# KiCad board Kanagawa_rgb_pico.kicad_pcb (continued)
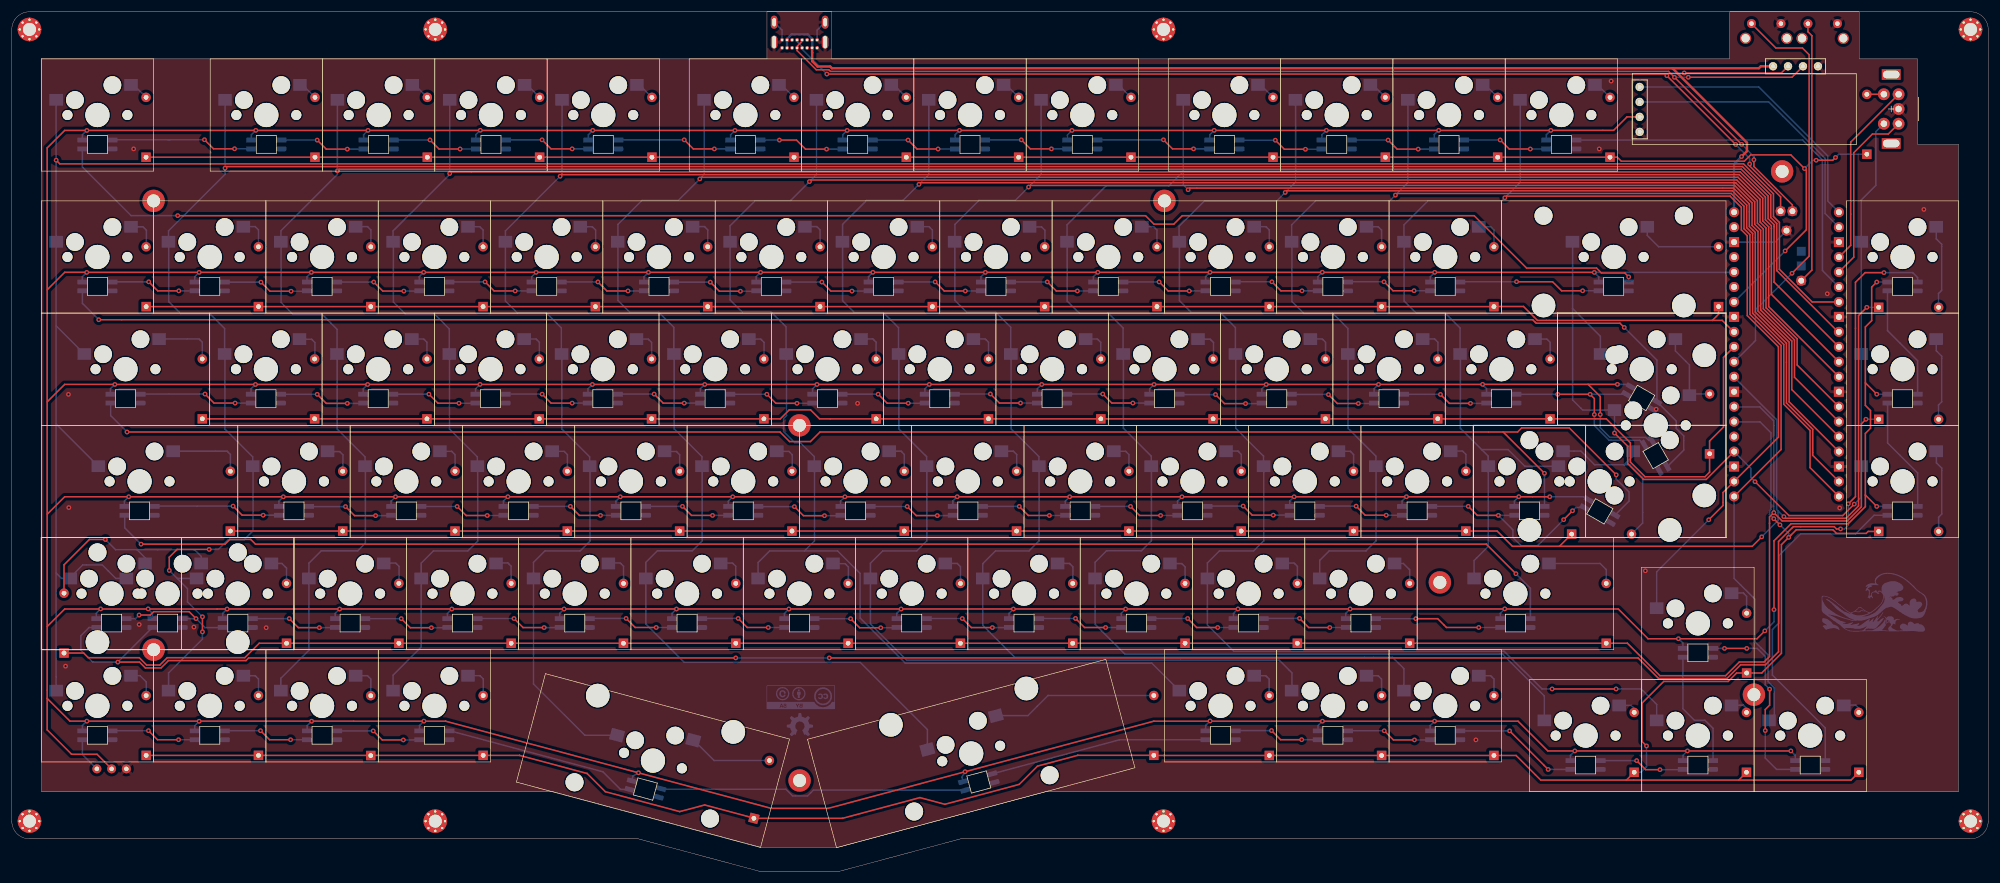
[diagram p0: board, top side]
## Nets
+5V: JUSB2.4 U0.40 USB.A4 USB.A9 USB.B4 USB.B9
GND: DCa13.3 DCb13.3 DDb12.3 DEb0.3 J1.1 J4.3 JUSB2.1 KA0.5 KA1.5 KA2.5 KA3.5 KA4.5 KA5.5 KA6.5 KA7.5 KA8.5 KA9.5 KA10.5 KA11.5 KA12.5 KB0.5 KB1.5 KB2.5 KB3.5 KB4.5 KB5.5 KB6.5 KB7.5 KB8.5 KB9.5 KB10.5 KB11.5 KB12.5 KB13.5 KC0.5 KC1.5 KC2.5 KC3.5 KC4.5 KC5.5 KC6.5 KC7.5 KC8.5 KC9.5 KC10.5 KC11.5 KC12.5 KD0.5 KD1.5 KD2.5 KD3.5 KD4.5 KD5.5 KD6.5 KD7.5 KD8.5 KD9.5 KD10.5 KD11.5 KD12.5 KD13.5 KE0.5 KE1.5 KE2.5 KE3.5 KE4.5 KE5.5 KE6.5 KE7.5 KE8.5 KE9.5 KE10.5 KE11.5 KE12.5 KE13.5 KF0.5 KF1.5 KF2.5 KF3.5 KF4.5 KF5.5 KF6.5 KF7.5 KF8.5 KF9.5 KF10.5 KF11.5 KF12.5 KF13.5 RSW0.2 RSW1.2 SWA13.C U0.3 U0.8 U0.13 U0.18 U0.23 U0.28 U0.33 U0.38 U0.TP1 USB.A1 USB.A12 USB.B1 USB.B12 USB.P1 USB.P2 USB.P3 USB.P4
VCC: DCa13.1 DCb13.1 DDb12.1 DEb0.1 J1.2 J4.2 KA0.3 KA1.3 KA2.3 KA3.3 KA4.3 KA5.3 KA6.3 KA7.3 KA8.3 KA9.3 KA10.3 KA11.3 KA12.3 KB0.3 KB1.3 KB2.3 KB3.3 KB4.3 KB5.3 KB6.3 KB7.3 KB8.3 KB9.3 KB10.3 KB11.3 KB12.3 KB13.3 KC0.3 KC1.3 KC2.3 KC3.3 KC4.3 KC5.3 KC6.3 KC7.3 KC8.3 KC9.3 KC10.3 KC11.3 KC12.3 KD0.3 KD1.3 KD2.3 KD3.3 KD4.3 KD5.3 KD6.3 KD7.3 KD8.3 KD9.3 KD10.3 KD11.3 KD12.3 KD13.3 KE0.3 KE1.3 KE2.3 KE3.3 KE4.3 KE5.3 KE6.3 KE7.3 KE8.3 KE9.3 KE10.3 KE11.3 KE12.3 KE13.3 KF0.3 KF1.3 KF2.3 KF3.3 KF4.3 KF5.3 KF6.3 KF7.3 KF8.3 KF9.3 KF10.3 KF11.3 KF12.3 KF13.3 U0.36
/IN_A0: KA0.6 KA1.4
/IN_A1: KA1.6 KA2.4
/IN_A2: KA2.6 KA3.4
/IN_A3: KA3.6 KA4.4
/IN_A4: KA4.6 KA5.4
/IN_A5: KA5.6 KA6.4
/IN_A6: KA6.6 KA7.4
/IN_A7: KA7.6 KA8.4
/IN_A8: KA8.6 KA9.4
/IN_A9: KA9.6 KA10.4
/IN_A10: KA10.6 KA11.4
/IN_A11: KA11.6 KA12.4
/IN_B0: KB0.6 KB1.4
/IN_B1: KB1.6 KB2.4
/IN_B2: KB2.6 KB3.4
/IN_B3: KB3.6 KB4.4
/IN_B4: KB4.6 KB5.4
/IN_B5: KB5.6 KB6.4
/IN_B6: KB6.6 KB7.4
/IN_B7: KB7.6 KB8.4
/IN_B8: KB8.6 KB9.4
/IN_B9: KB9.6 KB10.4
/IN_B10: KB10.6 KB11.4
/IN_B11: KB11.6 KB12.4
/IN_B12: KB12.6 KB13.4
/IN_B13: KA0.4 KB13.6
/IN_C0: KC0.6 KC1.4
/IN_C1: KC1.6 KC2.4
/IN_C2: KC2.6 KC3.4
/IN_C3: KC3.6 KC4.4
/IN_C4: KC4.6 KC5.4
/IN_C5: KC5.6 KC6.4
/IN_C6: KC6.6 KC7.4
/IN_C7: KC7.6 KC8.4
/IN_C8: KC8.6 KC9.4
/IN_C9: KC9.6 KC10.4
/IN_C10: KC10.6 KC11.4
/IN_C11: KC11.6 KC12.4
/IN_C12: DCa13.2 DCb13.2 KC12.6
/IN_C13: DCa13.4 DCb13.4 KB0.4
/IN_D0: KD0.6 KD1.4
/IN_D1: KD1.6 KD2.4
/IN_D2: KD2.6 KD3.4
/IN_D3: KD3.6 KD4.4
/IN_D4: KD4.6 KD5.4
/IN_D5: KD5.6 KD6.4
/IN_D6: KD6.6 KD7.4
/IN_D7: KD7.6 KD8.4
/IN_D8: KD8.6 KD9.4
/IN_D9: KD9.6 KD10.4
/IN_D10: KD10.6 KD11.4
/IN_D11: DDb12.2 KD11.6 KD12.4
/IN_D12: DDb12.4 KC0.4 KD12.6
/IN_D13: DEb0.2 KD13.6 KE0.4
/IN_E0: DEb0.4 KE0.6 KE1.4
/IN_E1: KE1.6 KE2.4
/IN_E2: KE2.6 KE3.4
/IN_E3: KE3.6 KE4.4
/IN_E4: KE4.6 KE5.4
/IN_E5: KE5.6 KE6.4
/IN_E6: KE6.6 KE7.4
/IN_E7: KE7.6 KE8.4
/IN_E8: KE8.6 KE9.4
/IN_E9: KE9.6 KE10.4
/IN_E10: KE10.6 KE11.4
/IN_E11: KE11.6 KE12.4
/IN_E12: KD0.4 KE12.6
/IN_E13: KD13.4 KE13.6
/IN_F0: KF0.6 KF1.4
/IN_F1: KF1.6 KF2.4
/IN_F2: KF2.6 KF3.4
/IN_F3: KF3.6 KF4.4
/IN_F4: KF4.6 KF5.4
/IN_F5: KF5.6 KF6.4
/IN_F6: KF6.6 KF7.4
/IN_F7: KF7.6 KF8.4
/IN_F8: KF8.6 KF9.4
/IN_F9: KF9.6 KF10.4
/IN_F10: KF10.6 KF12.4
/IN_F11: KF11.6 KF13.4
/IN_F12: KF11.4 KF12.6
/IN_F13: KE13.4 KF13.6
/KC13_out: DC13.2 KC13.2 KCb13.2
/KD12_out: DD12.2 KD12.2 KDb12.2
/KE0_out: DE0.2 KE0.2 KEb0.2
/SW99B: DA13.2 SWA13.S1
BOOTSEL: RSW1.1 U0.TP6
col00: KA0.1 KB0.1 KC0.1 KD0.1 KE0.1 KEb0.1 KF0.1 U0.7
col01: KA1.1 KB1.1 KC1.1 KD1.1 KE1.1 KF1.1 U0.9
col02: KA2.1 KB2.1 KC2.1 KD2.1 KE2.1 KF2.1 U0.10
col03: KA3.1 KB3.1 KC3.1 KD3.1 KE3.1 KF3.1 U0.11
col04: KA4.1 KB4.1 KC4.1 KD4.1 KE4.1 KF4.1 U0.12
col05: KA5.1 KB5.1 KC5.1 KD5.1 KE5.1 KF5.1 U0.14
col06: KA6.1 KB6.1 KC6.1 KD6.1 KE6.1 KF6.1 U0.15
col07: KA7.1 KB7.1 KC7.1 KD7.1 KE7.1 KF7.1 U0.16
col08: KA8.1 KB8.1 KC8.1 KD8.1 KE8.1 KF8.1 U0.17
col09: KA9.1 KB9.1 KC9.1 KD9.1 KE9.1 KF9.1 U0.19
col10: KA10.1 KB10.1 KC10.1 KD10.1 KE10.1 KF10.1 U0.20
col11: KA11.1 KB11.1 KC11.1 KD11.1 KE11.1 KF11.1 U0.21
col12: KA12.1 KB12.1 KC12.1 KD12.1 KDb12.1 KE12.1 KF12.1 U0.22
col13: KB13.1 KC13.1 KCb13.1 KD13.1 KE13.1 KF13.1 SWA13.S2 U0.24
D+: JUSB2.2 U0.TP3 USB.A6 USB.B6
D-: JUSB2.3 U0.TP2 USB.A7 USB.B7
ENCA: SWA13.A U0.5
ENCB: SWA13.B U0.4
RESET: RSW0.1 U0.30
RGB_Matrix: KA12.6 U0.6
RGB_Out: J4.1 KF0.4
row00: DA0.1 DA1.1 DA2.1 DA3.1 DA4.1 DA5.1 DA6.1 DA7.1 DA8.1 DA9.1 DA10.1 DA11.1 DA12.1 DA13.1 U0.34
row01: DB0.1 DB1.1 DB2.1 DB3.1 DB4.1 DB5.1 DB6.1 DB7.1 DB8.1 DB9.1 DB10.1 DB11.1 DB12.1 DB13.1 U0.32
row02: DC0.1 DC1.1 DC2.1 DC3.1 DC4.1 DC5.1 DC6.1 DC7.1 DC8.1 DC9.1 DC10.1 DC11.1 DC12.1 DC13.1 U0.31
row03: DD0.1 DD1.1 DD2.1 DD3.1 DD4.1 DD5.1 DD6.1 DD7.1 DD8.1 DD9.1 DD10.1 DD11.1 DD12.1 DD13.1 U0.29
row04: DE0.1 DE1.1 DE2.1 DE3.1 DE4.1 DE5.1 DE6.1 DE7.1 DE8.1 DE9.1 DE10.1 DE11.1 DE12.1 DE13.1 U0.27
row05: DF0.1 DF1.1 DF2.1 DF3.1 DF4.1 DF5.1 DF6.1 DF7.1 DF8.1 DF9.1 DF10.1 DF11.1 DF12.1 DF13.1 U0.26
SCL: J1.3 U0.2
SDA: J1.4 U0.1
Net-(DA0-A): DA0.2 KA0.2
Net-(DA1-A): DA1.2 KA1.2
Net-(DA2-A): DA2.2 KA2.2
Net-(DA3-A): DA3.2 KA3.2
Net-(DA4-A): DA4.2 KA4.2
Net-(DA5-A): DA5.2 KA5.2
Net-(DA6-A): DA6.2 KA6.2
Net-(DA7-A): DA7.2 KA7.2
Net-(DA8-A): DA8.2 KA8.2
Net-(DA9-A): DA9.2 KA9.2
Net-(DA10-A): DA10.2 KA10.2
Net-(DA11-A): DA11.2 KA11.2
Net-(DA12-A): DA12.2 KA12.2
Net-(DB0-A): DB0.2 KB0.2
Net-(DB1-A): DB1.2 KB1.2
Net-(DB2-A): DB2.2 KB2.2
Net-(DB3-A): DB3.2 KB3.2
Net-(DB4-A): DB4.2 KB4.2
Net-(DB5-A): DB5.2 KB5.2
Net-(DB6-A): DB6.2 KB6.2
Net-(DB7-A): DB7.2 KB7.2
Net-(DB8-A): DB8.2 KB8.2
Net-(DB9-A): DB9.2 KB9.2
Net-(DB10-A): DB10.2 KB10.2
Net-(DB11-A): DB11.2 KB11.2
Net-(DB12-A): DB12.2 KB12.2
Net-(DB13-A): DB13.2 KB13.2
Net-(DC0-A): DC0.2 KC0.2
Net-(DC1-A): DC1.2 KC1.2
Net-(DC2-A): DC2.2 KC2.2
Net-(DC3-A): DC3.2 KC3.2
Net-(DC4-A): DC4.2 KC4.2
Net-(DC5-A): DC5.2 KC5.2
Net-(DC6-A): DC6.2 KC6.2
Net-(DC7-A): DC7.2 KC7.2
Net-(DC8-A): DC8.2 KC8.2
Net-(DC9-A): DC9.2 KC9.2
Net-(DC10-A): DC10.2 KC10.2
Net-(DC11-A): DC11.2 KC11.2
Net-(DC12-A): DC12.2 KC12.2
Net-(DD0-A): DD0.2 KD0.2
Net-(DD1-A): DD1.2 KD1.2
Net-(DD2-A): DD2.2 KD2.2
Net-(DD3-A): DD3.2 KD3.2
Net-(DD4-A): DD4.2 KD4.2
Net-(DD5-A): DD5.2 KD5.2
Net-(DD6-A): DD6.2 KD6.2
Net-(DD7-A): DD7.2 KD7.2
Net-(DD8-A): DD8.2 KD8.2
Net-(DD9-A): DD9.2 KD9.2
Net-(DD10-A): DD10.2 KD10.2
Net-(DD11-A): DD11.2 KD11.2
Net-(DD13-A): DD13.2 KD13.2
Net-(DE1-A): DE1.2 KE1.2
Net-(DE2-A): DE2.2 KE2.2
Net-(DE3-A): DE3.2 KE3.2
Net-(DE4-A): DE4.2 KE4.2
Net-(DE5-A): DE5.2 KE5.2
Net-(DE6-A): DE6.2 KE6.2
Net-(DE7-A): DE7.2 KE7.2
Net-(DE8-A): DE8.2 KE8.2
Net-(DE9-A): DE9.2 KE9.2
Net-(DE10-A): DE10.2 KE10.2
Net-(DE11-A): DE11.2 KE11.2
Net-(DE12-A): DE12.2 KE12.2
Net-(DE13-A): DE13.2 KE13.2
Net-(DF0-A): DF0.2 KF0.2
Net-(DF1-A): DF1.2 KF1.2
Net-(DF2-A): DF2.2 KF2.2
Net-(DF3-A): DF3.2 KF3.2
Net-(DF4-A): DF4.2 KF4.2
Net-(DF5-A): DF5.2 KF5.2
Net-(DF6-A): DF6.2 KF6.2
Net-(DF7-A): DF7.2 KF7.2
Net-(DF8-A): DF8.2 KF8.2
Net-(DF9-A): DF9.2 KF9.2
Net-(DF10-A): DF10.2 KF10.2
Net-(DF11-A): DF11.2 KF11.2
Net-(DF12-A): DF12.2 KF12.2
Net-(DF13-A): DF13.2 KF13.2

Pads without a net: MountBaseTop1 1; MountBaseTop2 1; MountBaseTop3 1; MountBaseTop4 1; MountBaseTop5 1; MountBaseTop6 1; MountBaseTop7 1; MountBaseTop8 1; MountTopMiddle1 1; MountTopMiddle2 1; MountTopMiddle3 1; MountTopMiddle4 1; MountTopMiddle5 1; MountTopMiddle6 1; MountTopMiddle7 1; MountTopMiddle8 1; RSW0 3; RSW1 3; SWA13 MP; U0 25 35 37 39 TP4 TP5; USB A5 A8 B5 B8

## Via types
v1: diameter 0.8, hole 0.4, Top to Bottom, 312 vias

## Routing (per net, layer and track width the routed paths; a pad name or vN(x,y) marks a point on that pad's centre or on a via; arc(x,y) is an arc through that point)
+5V: length 204.4
  Top w0.4: JUSB2.4 296.66,136.65 296.33,136.32 281.66,136.32 ; USB.A9 135.75,138.95 135.75,138.95 135.75,137.52 136.66,136.61 138.81,136.61 139.1,136.32 281.66,136.32 ; 281.66,136.32 294.31,123.68 294.31,122.24 v1(293.39,121.32)
  Bottom w0.4: 135.75,139.77 135.75,141.29 ; v1(293.39,121.32) 292.12,120.05 U0.40 ; USB.A4 131.5,141.29 132.27,142.07 134.99,142.07 135.75,141.31
GND: length 16.8
  Bottom w0.254: USB.B1 136.59,142.79 137.94,144.13 ; 129.3,144.13 130.65,142.79 USB.B12 ; U0.38 299.06,106.8 U0.TP1
  vias: v1(9.12,34.81) v1(9.61,80.95) v1(9.67,61.73) v1(20.67,122.62) v1(21.61,41.87) v1(30.89,41.45) v1(43.15,41.34) v1(143.45,79.43) v1(248.33,22.3) v1(269.25,122.62) v1(271.27,134.14) v1(277.07,51) v1(278.91,78.43) v1(307.93,98.03) v1(310.03,61.67) v1(324.31,112.35)
VCC: length 2061.8
  Top w0.254: 5.99,79.67 8.96,82.64 17.48,82.64 v1(17.48,82.64) 249.46,82.64 ; v1(269.42,77.53) 269.42,80.59 267.36,82.65 ; v1(268.42,101.65) 268.41,101.66 v1(12.71,101.66) ; v1(316.32,80.98) 314.39,82.91 ; 314.39,82.91 314.39,79.08 315.26,78.21 315.26,75.2 314.39,74.33 314.39,63.85 ; 314.39,82.91 314.39,92.4 315.46,93.47 315.46,99.16 v1(316.32,100.02) ; 12.73,101.67 8.98,101.67 6.01,98.7 ; v1(298.89,44.4) 298.89,56.09 301.79,58.99 311.48,58.99 311.48,58.99 314.39,61.9 314.39,63.85 ; 267.36,82.65 v1(272.33,82.65) ; 267.36,82.65 v1(249.47,82.65) ; 57.99,25.47 73.57,25.47 73.57,25.47 128.8,10.67 138.46,10.67 193.69,25.47 ; 6.01,60.6 8.98,63.57 19.84,63.57 v1(19.84,63.57) v1(260.85,63.57) ; 6.01,41.54 8.98,44.51 34.83,44.51 34.83,44.52 272.48,44.52 277.53,39.47 v1(282.68,39.47) 296.01,39.47 v1(297.34,40.8) ; J4.2 14.46,19.85 10.15,19.85 6,24 6,29.34 ; 314.39,63.85 314.4,63.85 v1(316.32,61.93) ; 6,29.34 6,122.79 8.97,125.76 v1(12.73,125.76) 261.03,125.76 v1(261.04,125.77) 271.68,125.77 273.97,128.06 276.1,128.06 ; 6,29.34 9.86,25.48 58,25.48 ; 301.74,20.42 v1(265.11,20.42) 260.53,20.42 255.48,25.47 193.72,25.47 193.72,25.47
  Bottom w0.254: v1(65.09,63.56) 64.34,62.82 64.34,61.92 ; 78.72,124.14 78.72,125.04 v1(79.47,125.78) ; v1(19.84,63.57) 19.09,62.82 19.09,61.92 ; v1(203.24,25.5) 202.5,24.76 202.5,23.86 ; 250.14,80.99 250.14,81.89 249.39,82.63 ; 260.29,124.12 260.29,125.02 v1(261.04,125.77) ; v1(169.89,44.51) 169.14,43.76 169.14,42.86 ; 107.23,100.02 107.23,100.92 v1(107.98,101.66) ; v1(88.93,101.66) 88.18,100.92 88.18,100.02 ; v1(55.6,44.51) 54.85,43.76 54.85,42.86 ; v1(222.97,125.77) 222.22,125.03 222.22,124.13 ; 240.58,23.83 240.58,24.73 v1(241.32,25.47) ; 264.36,18.77 264.36,19.67 v1(265.11,20.42) ; 50.1,23.82 50.1,24.72 v1(50.85,25.47) ; 23.12,44.52 23.87,43.77 23.87,42.87 ; 131.05,42.87 131.05,43.76 v1(131.8,44.51) ; v1(79.41,82.64) 78.66,81.9 78.66,81 ; 11.98,23.83 11.98,24.73 v1(12.73,25.48) ; v1(282.68,39.47) 283.43,38.72 283.43,37.82 ; 40.64,124.13 40.64,125.03 v1(41.39,125.77) ; 161.39,15.12 161.16,15.98 v1(161.69,16.9) ; v1(255.61,63.58) 254.86,62.83 254.86,61.93 ; KF13.3 316.32,61.92 v1(316.32,61.93) ; 135.82,80.99 135.82,81.89 v1(136.57,82.63) ; v1(122.66,125.76) 121.91,125.02 121.91,124.12 ; 83.39,61.93 83.39,62.83 v1(84.14,63.57) ; v1(160.74,125.77) 159.99,125.03 159.99,124.13 ; v1(106.29,16.71) 105.37,16.18 105.14,15.31 ; 202.48,100.03 202.48,100.93 v1(203.23,101.67) ; 183.45,100.03 183.45,100.93 v1(184.2,101.67) ; v1(74.63,44.51) 73.88,43.76 73.88,42.86 ; 140.56,61.92 140.56,62.82 v1(141.31,63.56) ; 302.5,18.77 302.5,19.67 v1(301.75,20.42) ; v1(122.28,63.56) 121.53,62.82 121.53,61.92 ; 188.17,42.86 188.17,43.76 v1(188.92,44.51) ; 145.31,100.03 145.31,100.93 v1(146.06,101.67) ; v1(193.74,82.63) 192.99,81.89 192.99,80.99 ; v1(93.68,44.51) 92.93,43.76 92.93,42.87 ; 45.31,61.92 45.31,62.82 v1(46.06,63.56) ; 226.25,42.87 226.25,43.77 v1(227,44.52) ; v1(41.33,82.63) 40.58,81.89 40.58,80.99 ; v1(253.22,44.53) 252.48,43.79 252.48,42.89 ; v1(36.52,44.51) 35.77,43.76 35.77,42.86 ; v1(117.54,82.63) 116.79,81.89 116.79,80.99 ; 111.99,42.87 111.99,43.76 v1(112.74,44.51) ; 292.12,101.65 v1(268.42,101.65) 269.16,100.91 269.16,100.01 ; v1(103.21,63.56) 102.46,62.82 102.46,61.92 ; 59.67,124.13 59.67,125.03 v1(60.42,125.77) ; 97.79,124.13 97.79,125.03 v1(98.54,125.77) ; v1(141.69,125.76) 140.94,125.02 140.94,124.12 ; 216.75,61.92 216.75,62.82 v1(217.5,63.56) ; v1(298.89,44.4) 298.89,42.35 v1(297.34,40.8) ; v1(272.33,82.65) 274.06,82.65 274.51,82.2 ; v1(231.82,82.64) 231.07,81.9 231.07,81 ; 69.11,100.03 69.11,100.93 v1(69.86,101.67) ; KE13.3 316.27,80.97 ; 212.02,80.99 212.02,81.89 v1(212.77,82.63) ; v1(12.73,125.76) 11.98,125.01 11.98,124.11 ; v1(179.43,63.56) 178.68,62.82 178.68,61.92 ; 159.61,61.93 159.61,62.83 v1(160.36,63.57) ; 240.6,100.03 240.6,100.93 v1(241.35,101.67) ; v1(222.3,25.47) 221.55,24.72 221.55,23.82 ; v1(222.28,101.68) 221.53,100.94 221.53,100.04 ; 154.87,81 154.87,81.9 v1(155.62,82.64) ; 283.46,18.77 283.46,19.67 v1(284.21,20.42) ; 203.19,124.13 203.19,125.03 v1(203.94,125.77) ; 14.32,42.88 14.32,43.78 v1(15.07,44.53) ; 179.06,124.12 179.06,125.02 v1(179.81,125.76) ; v1(60.36,82.63) 59.61,81.89 59.61,80.99 ; 126.26,100.02 126.26,100.92 v1(127.01,101.66) ; 31.03,100.02 31.03,100.92 v1(31.78,101.66) ; 318.15,100.02 316.19,100.02 ; v1(242.02,125.78) 241.27,125.04 241.27,124.14 ; 207.22,42.87 207.22,43.77 v1(207.97,44.52) ; v1(236.55,63.57) 235.8,62.83 235.8,61.93 ; 11.96,100.01 11.96,100.91 v1(12.71,101.66) ; 97.73,80.99 97.73,81.89 v1(98.48,82.63) ; v1(269.42,77.53) 269.42,75.3 271.07,73.65 272.3,73.65 272.3,73.65 277.14,73.65 277.66,73.13 DCa13.1 ; v1(50.81,101.66) 50.06,100.92 50.06,100.02 ; v1(198.47,63.56) 197.72,62.82 197.72,61.92 ; v1(69.9,25.48) 69.15,24.73 69.15,23.83 ; v1(150.84,44.51) 150.09,43.76 150.09,42.87 ; v1(260.85,63.57) 266.62,63.57 266.97,63.22 ; 173.94,80.99 173.94,81.89 v1(174.69,82.63) ; 164.38,100.02 164.38,100.92 v1(165.13,101.66) ; v1(17.48,82.64) 16.73,81.89 16.73,80.99 ; 31.03,23.81 31.03,24.71 v1(31.78,25.46)
  vias: v1(23.13,44.53)
/IN_A0: length 24.3
  Top w0.254: v1(32.68,124.17) 34.22,122.64 v1(37.78,122.64)
  Bottom w0.254: v1(37.78,122.64) 40.5,122.64 ; 26.57,124.17 v1(32.68,124.17) ; 26.75,124.17 17,124.17
/IN_A1: length 14.6
  Top w0.254: v1(51.8,124.12) 53.33,122.58 v1(56.91,122.58)
  Bottom w0.254: 45.69,124.12 v1(51.8,124.12) ; v1(56.91,122.58) 59.62,122.58
/IN_A2: length 14.6
  Top w0.254: v1(70.93,124.14) 72.47,122.6 v1(76.03,122.6)
  Bottom w0.254: 64.82,124.14 v1(70.93,124.14) ; v1(76.03,122.6) 78.75,122.6
/IN_A3: length 14.6
  Top w0.254: v1(89.94,124.16) 91.47,122.62 v1(95.04,122.62)
  Bottom w0.254: v1(95.04,122.62) 97.76,122.62 ; 83.83,124.16 v1(89.94,124.16)
/IN_A4: length 19.6
  Top w0.254: v1(114.06,124.15) 115.59,122.62 v1(119.16,122.62)
  Bottom w0.254: v1(114.06,124.15) 102.88,124.15 ; v1(119.16,122.62) 121.88,122.62
/IN_A5: length 14.6
  Top w0.254: v1(130.2,124.12) 133.09,124.12 134.62,122.58 v1(138.19,122.58)
  Bottom w0.254: 126.98,124.12 v1(130.2,124.12) ; v1(138.19,122.58) 140.91,122.58
/IN_A6: length 14.6
  Top w0.254: v1(152.02,124.12) 153.54,122.6 v1(157.11,122.6)
  Bottom w0.254: v1(152.02,124.12) 152,124.14 145.9,124.14 ; v1(157.11,122.6) 159.83,122.6
/IN_A7: length 14.6
  Top w0.254: v1(176.34,122.62) 172.76,122.62 v1(171.23,124.16)
  Bottom w0.254: 165.12,124.16 v1(171.23,124.16) ; v1(176.34,122.62) 179.06,122.62
/IN_A8: length 19.6
  Top w0.254: v1(195.34,124.16) 196.87,122.62 v1(200.44,122.62)
  Bottom w0.254: v1(195.34,124.16) 184.15,124.16 ; v1(200.44,122.62) 203.16,122.62
/IN_A9: length 14.6
  Top w0.254: v1(214.31,124.1) 215.85,122.56 v1(219.42,122.56)
  Bottom w0.254: v1(219.42,122.56) 222.13,122.56 ; 208.2,124.1 v1(214.31,124.1)
/IN_A10: length 14.6
  Top w0.254: v1(233.44,124.12) 234.98,122.58 v1(238.55,122.58)
  Bottom w0.254: v1(238.55,122.58) 241.26,122.58 ; 227.33,124.12 v1(233.44,124.12)
/IN_A11: length 14.6
  Top w0.254: v1(257.56,122.6) 253.99,122.6 v1(252.45,124.14)
  Bottom w0.254: 246.34,124.14 v1(252.45,124.14) ; v1(257.56,122.6) 260.27,122.6
/IN_B0: length 14.6
  Top w0.254: v1(28.33,98.52) 24.76,98.52 v1(23.22,100.06)
  Bottom w0.254: 17.12,100.06 v1(23.22,100.06) ; v1(28.33,98.52) 31.05,98.52
/IN_B1: length 14.6
  Top w0.254: v1(47.36,98.46) 43.8,98.46 v1(42.26,100)
  Bottom w0.254: v1(47.36,98.46) 50.08,98.46 ; 36.15,100 v1(42.26,100)
/IN_B2: length 14.6
  Top w0.254: v1(61.39,100.02) 62.92,98.48 v1(66.5,98.48)
  Bottom w0.254: v1(66.5,98.48) 69.22,98.48 ; 55.28,100.02 v1(61.39,100.02)
/IN_B3: length 14.6
  Top w0.254: v1(80.28,100.04) 81.81,98.51 v1(85.38,98.51)
  Bottom w0.254: v1(85.38,98.51) 88.1,98.51 ; 74.17,100.04 v1(80.28,100.04)
/IN_B4: length 14.6
  Top w0.254: v1(99.41,100.04) 100.94,98.5 v1(104.51,98.5)
  Bottom w0.254: v1(104.51,98.5) 107.24,98.5 ; 93.3,100.04 v1(99.41,100.04)
/IN_B5: length 14.6
  Top w0.254: v1(123.59,98.46) 120.01,98.46 v1(118.48,100)
  Bottom w0.254: v1(123.59,98.46) 126.31,98.46 ; 112.37,100 v1(118.48,100)
/IN_B6: length 14.6
  Top w0.254: v1(142.5,98.48) 138.93,98.48 v1(137.4,100.02)
  Bottom w0.254: v1(142.5,98.48) 145.22,98.48 ; 131.29,100.02 v1(137.4,100.02)
/IN_B7: length 14.6
  Top w0.254: v1(156.62,100.04) 158.16,98.5 v1(161.72,98.5)
  Bottom w0.254: v1(161.72,98.5) 164.44,98.5 ; 150.51,100.04 v1(156.62,100.04)
/IN_B8: length 14.6
  Top w0.254: v1(180.74,98.5) 177.16,98.5 v1(175.63,100.04)
  Bottom w0.254: 169.52,100.04 v1(175.63,100.04) ; v1(180.74,98.5) 183.46,98.5
/IN_B9: length 14.6
  Top w0.254: v1(194.6,100.04) 196.13,98.5 v1(199.71,98.5)
  Bottom w0.254: v1(199.71,98.5) 202.43,98.5 ; 188.49,100.04 v1(194.6,100.04)
/IN_B10: length 14.6
  Top w0.254: v1(218.83,98.52) 215.26,98.52 v1(213.73,100.06)
  Bottom w0.254: v1(218.83,98.52) 221.56,98.52 ; 207.62,100.06 v1(213.73,100.06)
/IN_B11: length 14.6
  Top w0.254: 232.74,100.08 234.27,98.54 v1(237.85,98.54)
  Bottom w0.254: v1(237.85,98.54) 240.56,98.54 ; 226.63,100.08 232.74,100.08
  vias: v1(232.75,100.06)
/IN_B12: length 24.1
  Top w0.254: v1(266.44,98.53) 262.87,98.53 261.33,100.07 255.23,100.07
  Bottom w0.254: 255.23,100.07 245.71,100.07 ; v1(266.44,98.53) 269.16,98.53
  vias: v1(255.23,100.08)
/IN_B13: length 275.1
  Top w0.254: 28.15,111.28 192.3,111.28 193.73,109.85 197.09,109.85 198.52,111.28 248.04,111.28 256.93,102.39 268.79,102.39 269.62,101.56 273.58,101.56 v1(274.25,100.89)
  Bottom w0.254: v1(28.14,111.29) 20.24,111.29 11.98,119.55 KA0.4 ; 274.25,100.02 v1(274.25,100.89)
/IN_C0: length 19.4
  Top w0.254: v1(32.77,81.01) 34.31,79.47 v1(37.88,79.47)
  Bottom w0.254: 21.84,81.01 v1(32.77,81.01) ; v1(37.88,79.47) 40.6,79.47
/IN_C1: length 14.6
  Top w0.254: v1(56.91,79.42) 53.33,79.42 v1(51.8,80.96)
  Bottom w0.254: v1(56.91,79.42) 59.62,79.42 ; 45.69,80.96 v1(51.8,80.96)
/IN_C2: length 14.6
  Top w0.254: v1(75.85,79.45) 72.28,79.45 v1(70.75,80.98)
  Bottom w0.254: v1(75.85,79.45) 78.57,79.45 ; 64.64,80.98 v1(70.75,80.98)
/IN_C3: length 14.6
  Top w0.254: v1(89.96,80.98) 91.47,79.46 v1(95.04,79.46)
  Bottom w0.254: v1(89.96,80.98) 89.94,81 83.83,81 ; v1(95.04,79.46) 97.76,79.46
/IN_C4: length 14.6
  Top w0.254: v1(108.95,81) 110.49,79.46 v1(114.06,79.46)
  Bottom w0.254: 102.84,81 v1(108.95,81) ; v1(114.06,79.46) 116.78,79.46
/IN_C5: length 14.6
  Top w0.254: v1(128.07,80.97) 129.6,79.43 v1(133.18,79.43)
  Bottom w0.254: v1(133.18,79.43) 135.9,79.43 ; 121.96,80.97 v1(128.07,80.97)
/IN_C6: length 14.6
  Top w0.254: v1(152.05,79.45) 148.48,79.45 v1(146.94,80.98)
  Bottom w0.254: v1(152.05,79.45) 154.77,79.45 ; 140.84,80.98 v1(146.94,80.98)
/IN_C7: length 14.6
  Top w0.254: v1(171.09,79.48) 167.52,79.48 v1(165.99,81.01)
  Bottom w0.254: v1(171.09,79.48) 173.81,79.48 ; 159.88,81.01 v1(165.99,81.01)
/IN_C8: length 14.6
  Top w0.254: v1(190.15,79.48) 186.58,79.48 v1(185.04,81.01)
  Bottom w0.254: 178.94,81.01 v1(185.04,81.01) ; v1(190.15,79.48) 192.87,79.48
/IN_C9: length 14.6
  Top w0.254: v1(204.16,80.92) 205.69,79.38 v1(209.26,79.38)
  Bottom w0.254: 198.05,80.92 v1(204.16,80.92) ; v1(209.26,79.38) 211.99,79.38
/IN_C10: length 14.6
  Top w0.254: v1(228.39,79.4) 224.82,79.4 v1(223.32,80.91)
  Bottom w0.254: v1(223.32,80.91) 223.29,80.94 217.18,80.94 ; v1(228.39,79.4) 231.12,79.4
/IN_C11: length 14.6
  Top w0.254: v1(247.4,79.42) 243.83,79.42 242.3,80.96
  Bottom w0.254: v1(247.4,79.42) 250.12,79.42 ; 236.19,80.96 242.3,80.96
  vias: v1(242.32,80.94)
/IN_C12: length 34.1
  Top w0.254: v1(268.42,77.53) 268.42,80.24 v1(267.7,80.96) v1(262.21,80.96)
  Bottom w0.254: 255.2,80.96 v1(262.21,80.96) ; v1(267.7,80.96) 273.89,80.96 ; v1(268.42,77.53) 268.42,75.66 270.91,73.17 276.11,73.17 DCa13.2
/IN_C13: length 294.3
  Top w0.254: v1(273.49,92.31) 272.77,93.03 258.56,93.03 257.97,93.62 v1(14.75,93.62)
  Bottom w0.254: v1(14.75,93.62) 11.98,96.39 11.98,98.52 ; 280.75,68.65 283.58,71.48 283.58,73.9 282.32,75.16 282.32,76.42 DCb13.4 279.03,86.77 v1(273.49,92.31)
/IN_D0: length 21.7
  Top w0.254: v1(42.64,60.44) 39.07,60.44 v1(37.53,61.98)
  Bottom w0.254: v1(42.64,60.44) 45.36,60.44 ; v1(37.53,61.98) 24.26,61.98
/IN_D1: length 14.6
  Top w0.254: v1(56.6,61.9) 58.14,60.36 v1(61.7,60.36)
  Bottom w0.254: v1(61.7,60.36) 64.42,60.36 ; 50.49,61.9 v1(56.6,61.9)
/IN_D2: length 14.6
  Top w0.254: v1(80.64,60.38) 77.07,60.38 v1(75.53,61.92)
  Bottom w0.254: v1(80.64,60.38) 83.36,60.38 ; 69.43,61.92 v1(75.53,61.92)
/IN_D3: length 14.6
  Top w0.254: v1(99.84,60.4) 96.28,60.4 v1(94.74,61.94)
  Bottom w0.254: 88.63,61.94 v1(94.74,61.94) ; v1(99.84,60.4) 102.56,60.4
/IN_D4: length 14.6
  Top w0.254: v1(118.85,60.4) 115.28,60.4 v1(113.75,61.94)
  Bottom w0.254: 107.64,61.94 v1(113.75,61.94) ; v1(118.85,60.4) 121.57,60.4
/IN_D5: length 14.6
  Top w0.254: v1(132.74,61.89) 134.28,60.35 v1(137.84,60.35)
  Bottom w0.254: v1(137.84,60.35) 140.56,60.35 ; 126.63,61.89 v1(132.74,61.89)
/IN_D6: length 14.6
  Top w0.254: v1(151.87,61.91) 153.41,60.37 v1(156.97,60.37)
  Bottom w0.254: v1(156.97,60.37) 159.69,60.37 ; 145.76,61.91 v1(151.87,61.91)
/IN_D7: length 14.6
  Top w0.254: v1(175.99,60.39) 172.41,60.39 v1(170.88,61.93)
  Bottom w0.254: v1(175.99,60.39) 178.71,60.39 ; 164.77,61.93 v1(170.88,61.93)
/IN_D8: length 14.6
  Top w0.254: v1(189.75,61.93) 191.28,60.39 v1(194.85,60.39)
  Bottom w0.254: v1(194.85,60.39) 197.57,60.39 ; 183.64,61.93 v1(189.75,61.93)
/IN_D9: length 14.6
  Top w0.254: v1(213.96,60.45) 210.39,60.45 v1(208.85,61.98)
  Bottom w0.254: 202.75,61.98 v1(208.85,61.98) ; v1(213.96,60.45) 216.68,60.45
/IN_D10: length 14.6
  Top w0.254: v1(228.01,61.97) 229.55,60.44 v1(233.12,60.44)
  Bottom w0.254: v1(233.12,60.44) 235.84,60.44 ; 221.91,61.97 v1(228.01,61.97)
/IN_D11: length 34.8
  Top w0.254: v1(252.14,60.41) 248.57,60.41 v1(247.04,61.94) ; v1(263.22,59.68) 263.22,59.69 v1(264.72,61.19)
  Bottom w0.254: 240.93,61.94 v1(247.04,61.94) ; 254.86,60.41 v1(252.14,60.41) 254.6,57.95 254.6,56.66 256.05,55.21 258.74,55.21 263.21,59.68 v1(263.22,59.68) ; v1(264.72,61.19) 265.27,61.74 266.75,61.74
/IN_D12: length 287.8
  Top w0.254: 252.96,74.56 137.08,74.56 135.46,72.94 131.92,72.94 130.3,74.56 v1(19.55,74.56) ; 252.96,74.56 255.4,74.56 256.1,75.26 264.16,75.26 v1(272.13,67.29) ; 252.96,74.56 v1(259.96,67.56)
  Bottom w0.254: v1(19.55,74.56) 16.77,77.33 16.77,79.46 ; KD12.6 259.96,67.08 259.96,67.08 v1(259.96,67.56) ; v1(272.13,67.29) 272.13,66.55 274.31,64.37 274.31,62.84 DDb12.4
/IN_D13: length 393.3
  Top w0.254: v1(17.98,35.5) 21.66,35.5 22.65,34.51 25.32,34.51 26.57,35.76 39.72,35.76 40.17,36.21 v1(122.79,36.21) ; v1(310.18,58.11) 309.49,58.11 309.11,58.49 302.17,58.49 299.66,55.98 299.66,37.26 297.43,35.03 293.22,35.03 290.91,32.72 279.32,32.72 275.83,36.21 v1(138.66,36.21) ; v1(317.54,101.62) 314.35,101.62 312.71,99.98 312.71,63.59 v1(311.49,62.37)
  Bottom w0.254: v1(317.54,101.62) 322.41,101.62 323.25,100.78 323.25,100.02 ; v1(310.18,58.11) 310.86,58.11 311.49,58.74 v1(311.49,62.37) ; v1(122.79,36.21) v1(138.66,36.21) ; KE0.4 13.1,41.37 11.71,39.98 11.71,37.52 13.73,35.5 v1(17.98,35.5) 23.88,41.4
/IN_E0: length 20.1
  Top w0.254: v1(31.25,42.88) 30.07,44.06 24.06,44.06 23.49,43.49 v1(21.59,43.49)
  Bottom w0.254: 35.72,41.35 32.78,41.35 v1(31.25,42.88) DEb0.4 ; v1(21.59,43.49) 20.97,42.87 KE0.6
/IN_E1: length 14.6
  Top w0.254: v1(52.17,41.35) 48.6,41.35 v1(47.06,42.89)
  Bottom w0.254: v1(52.17,41.35) 54.89,41.35 ; 40.95,42.89 v1(47.06,42.89)
/IN_E2: length 14.6
  Top w0.254: v1(66.06,42.87) 67.59,41.34 v1(71.16,41.34)
  Bottom w0.254: 59.95,42.87 v1(66.06,42.87) ; v1(71.16,41.34) 73.88,41.34
/IN_E3: length 14.6
  Top w0.254: v1(90.29,41.36) 86.72,41.36 v1(85.19,42.89)
  Bottom w0.254: v1(90.29,41.36) 93.01,41.36 ; 79.08,42.89 v1(85.19,42.89)
/IN_E4: length 14.6
  Top w0.254: v1(109.3,41.38) 105.73,41.38 v1(104.19,42.91)
  Bottom w0.254: 98.09,42.91 v1(104.19,42.91) ; v1(109.3,41.38) 112.02,41.38
/IN_E5: length 14.6
  Top w0.254: v1(128.31,41.38) 124.74,41.38 v1(123.21,42.91)
  Bottom w0.254: 117.1,42.91 v1(123.21,42.91) ; v1(128.31,41.38) 131.03,41.38
/IN_E6: length 14.6
  Top w0.254: v1(147.38,41.33) 143.81,41.33 v1(142.28,42.87)
  Bottom w0.254: 136.17,42.87 v1(142.28,42.87) ; v1(147.38,41.33) 150.1,41.33
/IN_E7: length 14.6
  Top w0.254: v1(166.32,41.36) 162.75,41.36 v1(161.22,42.89)
  Bottom w0.254: v1(166.32,41.36) 169.04,41.36 ; 155.11,42.89 v1(161.22,42.89)
/IN_E8: length 14.6
  Top w0.254: v1(180.42,42.91) 181.96,41.37 v1(185.53,41.37)
  Bottom w0.254: 174.31,42.91 v1(180.42,42.91) ; v1(185.53,41.37) 188.25,41.37
/IN_E9: length 14.6
  Top w0.254: v1(199.44,42.9) 200.97,41.37 v1(204.53,41.37)
  Bottom w0.254: v1(199.44,42.9) 199.43,42.91 193.32,42.91 ; v1(204.53,41.37) 207.25,41.37
/IN_E10: length 14.6
  Top w0.254: 218.45,42.89 219.98,41.37 v1(223.55,41.37)
  Bottom w0.254: v1(223.55,41.37) 226.26,41.37 ; 212.31,42.92 v1(218.42,42.92)
/IN_E11: length 21.7
  Top w0.254: v1(248.82,41.38) 243.34,41.38 241.85,42.87 v1(238.15,42.87)
  Bottom w0.254: v1(238.15,42.87) 238.14,42.87 KE11.6 ; v1(248.82,41.38) 252.49,41.38
/IN_E12: length 250.7
  Top w0.254: v1(21.92,55.52) 36.17,55.52 36.98,56.33 40.52,56.33 41.33,55.52 250.11,55.52 250.11,55.51 v1(255.12,50.5)
  Bottom w0.254: 19.15,60.42 19.15,58.29 v1(21.92,55.52) ; v1(255.12,50.5) 257.58,48.04 KE12.6
/IN_E13: length 19.7
  Bottom w0.254: KE13.6 323.25,86.67 318.15,91.77 318.15,98.53
/IN_F0: length 14.7
  Top w0.254: v1(23.18,23.85) 24.72,22.32 v1(28.28,22.32)
  Bottom w0.254: 17.07,23.85 v1(23.18,23.85) ; v1(28.28,22.32) 31.09,22.32
/IN_F1: length 14.6
  Top w0.254: v1(47.29,22.32) 43.72,22.32 v1(42.19,23.85)
  Bottom w0.254: v1(47.29,22.32) 50.09,22.32 ; 36.08,23.85 v1(42.19,23.85)
/IN_F2: length 14.6
  Top w0.254: v1(66.41,22.28) 62.84,22.28 v1(61.3,23.82)
  Bottom w0.254: v1(66.41,22.28) 69.21,22.28 ; 55.2,23.82 v1(61.3,23.82)
/IN_F3: length 32.7
  Bottom w0.254: KF4.4 103.24,13.89 100.25,16.88 74.28,23.84
/IN_F4: length 52.5
  Bottom w0.254: KF5.4 135.96,13.77 134.97,12.78 132.43,12.78 131.3,13.91 110.16,13.91
/IN_F5: length 36.9
  Bottom w0.254: 202.52,22.31 187.87,22.31 ; 187.86,22.31 166.33,16.54
/IN_F6: length 14.6
  Top w0.254: 213.69,23.85 215.21,22.33 v1(218.78,22.33)
  Bottom w0.254: v1(218.78,22.33) 221.5,22.33 ; 207.55,23.88 v1(213.66,23.88)
/IN_F7: length 14.6
  Top w0.254: v1(237.91,22.29) 234.34,22.29 232.81,23.81
  Bottom w0.254: v1(237.91,22.29) 240.63,22.29 ; 226.68,23.84 v1(232.79,23.84)
/IN_F8: length 21.1
  Top w0.254: v1(260.59,17.28) v1(254.05,23.82)
  Bottom w0.254: 246,23.82 v1(254.05,23.82) ; v1(260.59,17.28) 264.4,17.28
/IN_F9: length 14.6
  Top w0.254: v1(275.6,18.77) 277.13,17.24 v1(279.55,17.24)
  Bottom w0.254: v1(279.55,17.24) 283.42,17.24 ; KF9.6 v1(275.6,18.77)
/IN_F10: length 20.7
  Bottom w0.254: KF12.4 283.44,27.59 285.4,25.63 287.18,25.63 288.55,24.26 288.55,18.79
/IN_F11: length 60.2
  Bottom w0.254: KF13.4 315.88,60.42 312.71,57.26 303.4,57.26 299.71,53.57 299.71,42.11 298.62,41.02 298.62,33.3 307.59,24.33 KF11.6
/IN_F12: length 33.2
  Top w0.254: v1(290.5,37.82) v1(294.27,37.82) ; v1(297.41,23.88) 297.41,27.45 298.15,28.19 v1(298.15,30.91)
  Bottom w0.254: 302.5,17.29 299.33,17.29 297.41,19.21 v1(297.41,23.88) ; v1(294.27,37.82) 296.06,37.82 297.41,36.47 297.41,31.65 v1(298.15,30.91) ; KF12.6 v1(290.5,37.82)
/IN_F13: length 19.7
  Bottom w0.254: 323.26,61.91 323.26,67.6 318.16,72.7 318.16,79.46
/KC13_out: length 14.1
  Bottom w0.254: DC13.2 284.74,81.02 284.54,80.82 ; KCb13.2 282.16,88.34 284.55,85.95 284.55,80.77
/KD12_out: length 28.7
  Bottom w0.254: 273.48,69 274.42,69 276.61,66.81 276.61,59.11 274.75,57.25 ; 273.48,69 275.02,70.54 275.02,71.29 ; 273.48,69 268.46,69 266.14,71.32 263.07,71.32
/KE0_out: length 35.2
  Top w0.254: DE0.2 8.86,52.02 13.16,56.32 v1(15.87,56.32)
  Bottom w0.254: 21.24,54.59 17.6,54.59 v1(15.87,56.32) ; 21.24,54.59 30.98,54.59 32.13,53.44 KEb0.2 ; 21.24,54.59 22.61,53.22 KE0.2
/SW99B: length 2.8
  Top w0.254: SWA13.S1 314.76,131.9
BOOTSEL: length 44.7
  Top w0.254: 305.29,141.81 305.32,141.84 304.65,142.51 RSW1.1 ; 303.51,100.24 305.31,102.04 305.31,141.81
col00: length 450.6
  Top w0.254: U0.7 305.36,96.64 299.81,102.19 299.81,110.14 298.8,111.15 298.8,115 293.72,120.08 8.15,120.08 v1(7.52,120.7)
  Bottom w0.254: 7.52,75.91 14.67,68.76 KD0.1 ; 7.52,75.91 7.52,92.58 ; 7.52,75.91 7.52,50.62 ; 7.52,92.58 12.29,87.81 ; 7.52,92.58 7.52,106.86 7.52,106.86 v1(7.52,120.7) KA0.1 ; 9.88,49.85 12.03,52 15.34,52 17.63,49.7 KEb0.1 ; KF0.1 7.52,33.04 7.52,33.05 7.52,50.62 ; 7.52,50.62 8.44,49.7 KE0.1
col01: length 424.8
  Top w0.254: v1(26.71,51.06) 26.71,53.31 28.03,54.63 v1(33.48,54.63) ; U0.9 309.77,91.56 299.36,101.97 299.36,101.98 299.36,109.95 298.35,110.96 298.35,114.81 293.53,119.63 36.45,119.63 v1(36.17,119.35) ; v1(32.34,43.19) v1(32.34,40.63)
  Bottom w0.254: 28.06,49.7 v1(26.71,51.06) ; 28.06,49.7 KE1.1 ; 28.06,49.7 29.8,47.97 29.8,45.73 v1(32.34,43.19) ; 26.58,106.84 26.58,108.71 36.17,118.3 v1(36.17,119.35) KA1.1 ; 36.1,87.71 36.1,92.12 33.56,94.66 28.64,94.66 26.61,96.69 26.61,106.75 ; KD1.1 40.86,70.34 36.14,75.06 36.14,87.71 ; v1(32.34,40.63) 32.34,39.41 26.59,33.66 26.59,30.7 ; 40.92,68.69 40.92,57.79 39.39,56.26 36.68,56.26 35.05,54.63 v1(33.48,54.63)
col02: length 397.7
  Top w0.254: v1(55.22,118.89) 55.5,119.17 293.35,119.17 297.89,114.62 297.89,110.77 298.9,109.76 298.9,109.44 298.9,109.44 298.9,100.02 298.9,100.02 U0.10
  Bottom w0.254: 45.65,106.81 45.65,108.73 55.22,118.3 v1(55.22,118.89) 55.22,130.95 ; 59.97,68.69 59.97,55.68 58.68,54.39 52.48,54.39 50.39,52.3 KE2.1 50.39,37.5 45.63,32.74 KF2.1 ; 55.19,87.71 55.19,75.06 59.91,70.34 KD2.1 ; 45.68,106.61 45.68,96.55 47.71,94.52 52.63,94.52 55.17,91.98 55.17,87.57
col03: length 380.4
  Top w0.254: U0.11 298.44,97.93 298.45,97.94 298.45,109.11 298.45,109.11 298.45,109.58 297.44,110.59 297.44,114.44 293.16,118.71 77.97,118.71 77.96,118.72 74.55,118.72 v1(74.28,118.44)
  Bottom w0.254: KA3.1 74.28,118.3 64.66,108.69 64.66,106.86 ; KD3.1 78.96,70.34 74.24,75.06 74.24,87.71 ; 79.02,68.69 79.02,56.04 77.36,54.38 71.52,54.38 69.44,52.3 KE3.1 69.44,38.05 64.68,33.29 KF3.1 ; 74.21,87.64 74.21,92.06 71.67,94.6 66.75,94.6 64.72,96.63 64.72,106.68
